# Altium PCB FMC_ADC_250M_16B_4ch.PcbDoc (part 5 of 8) (continued)
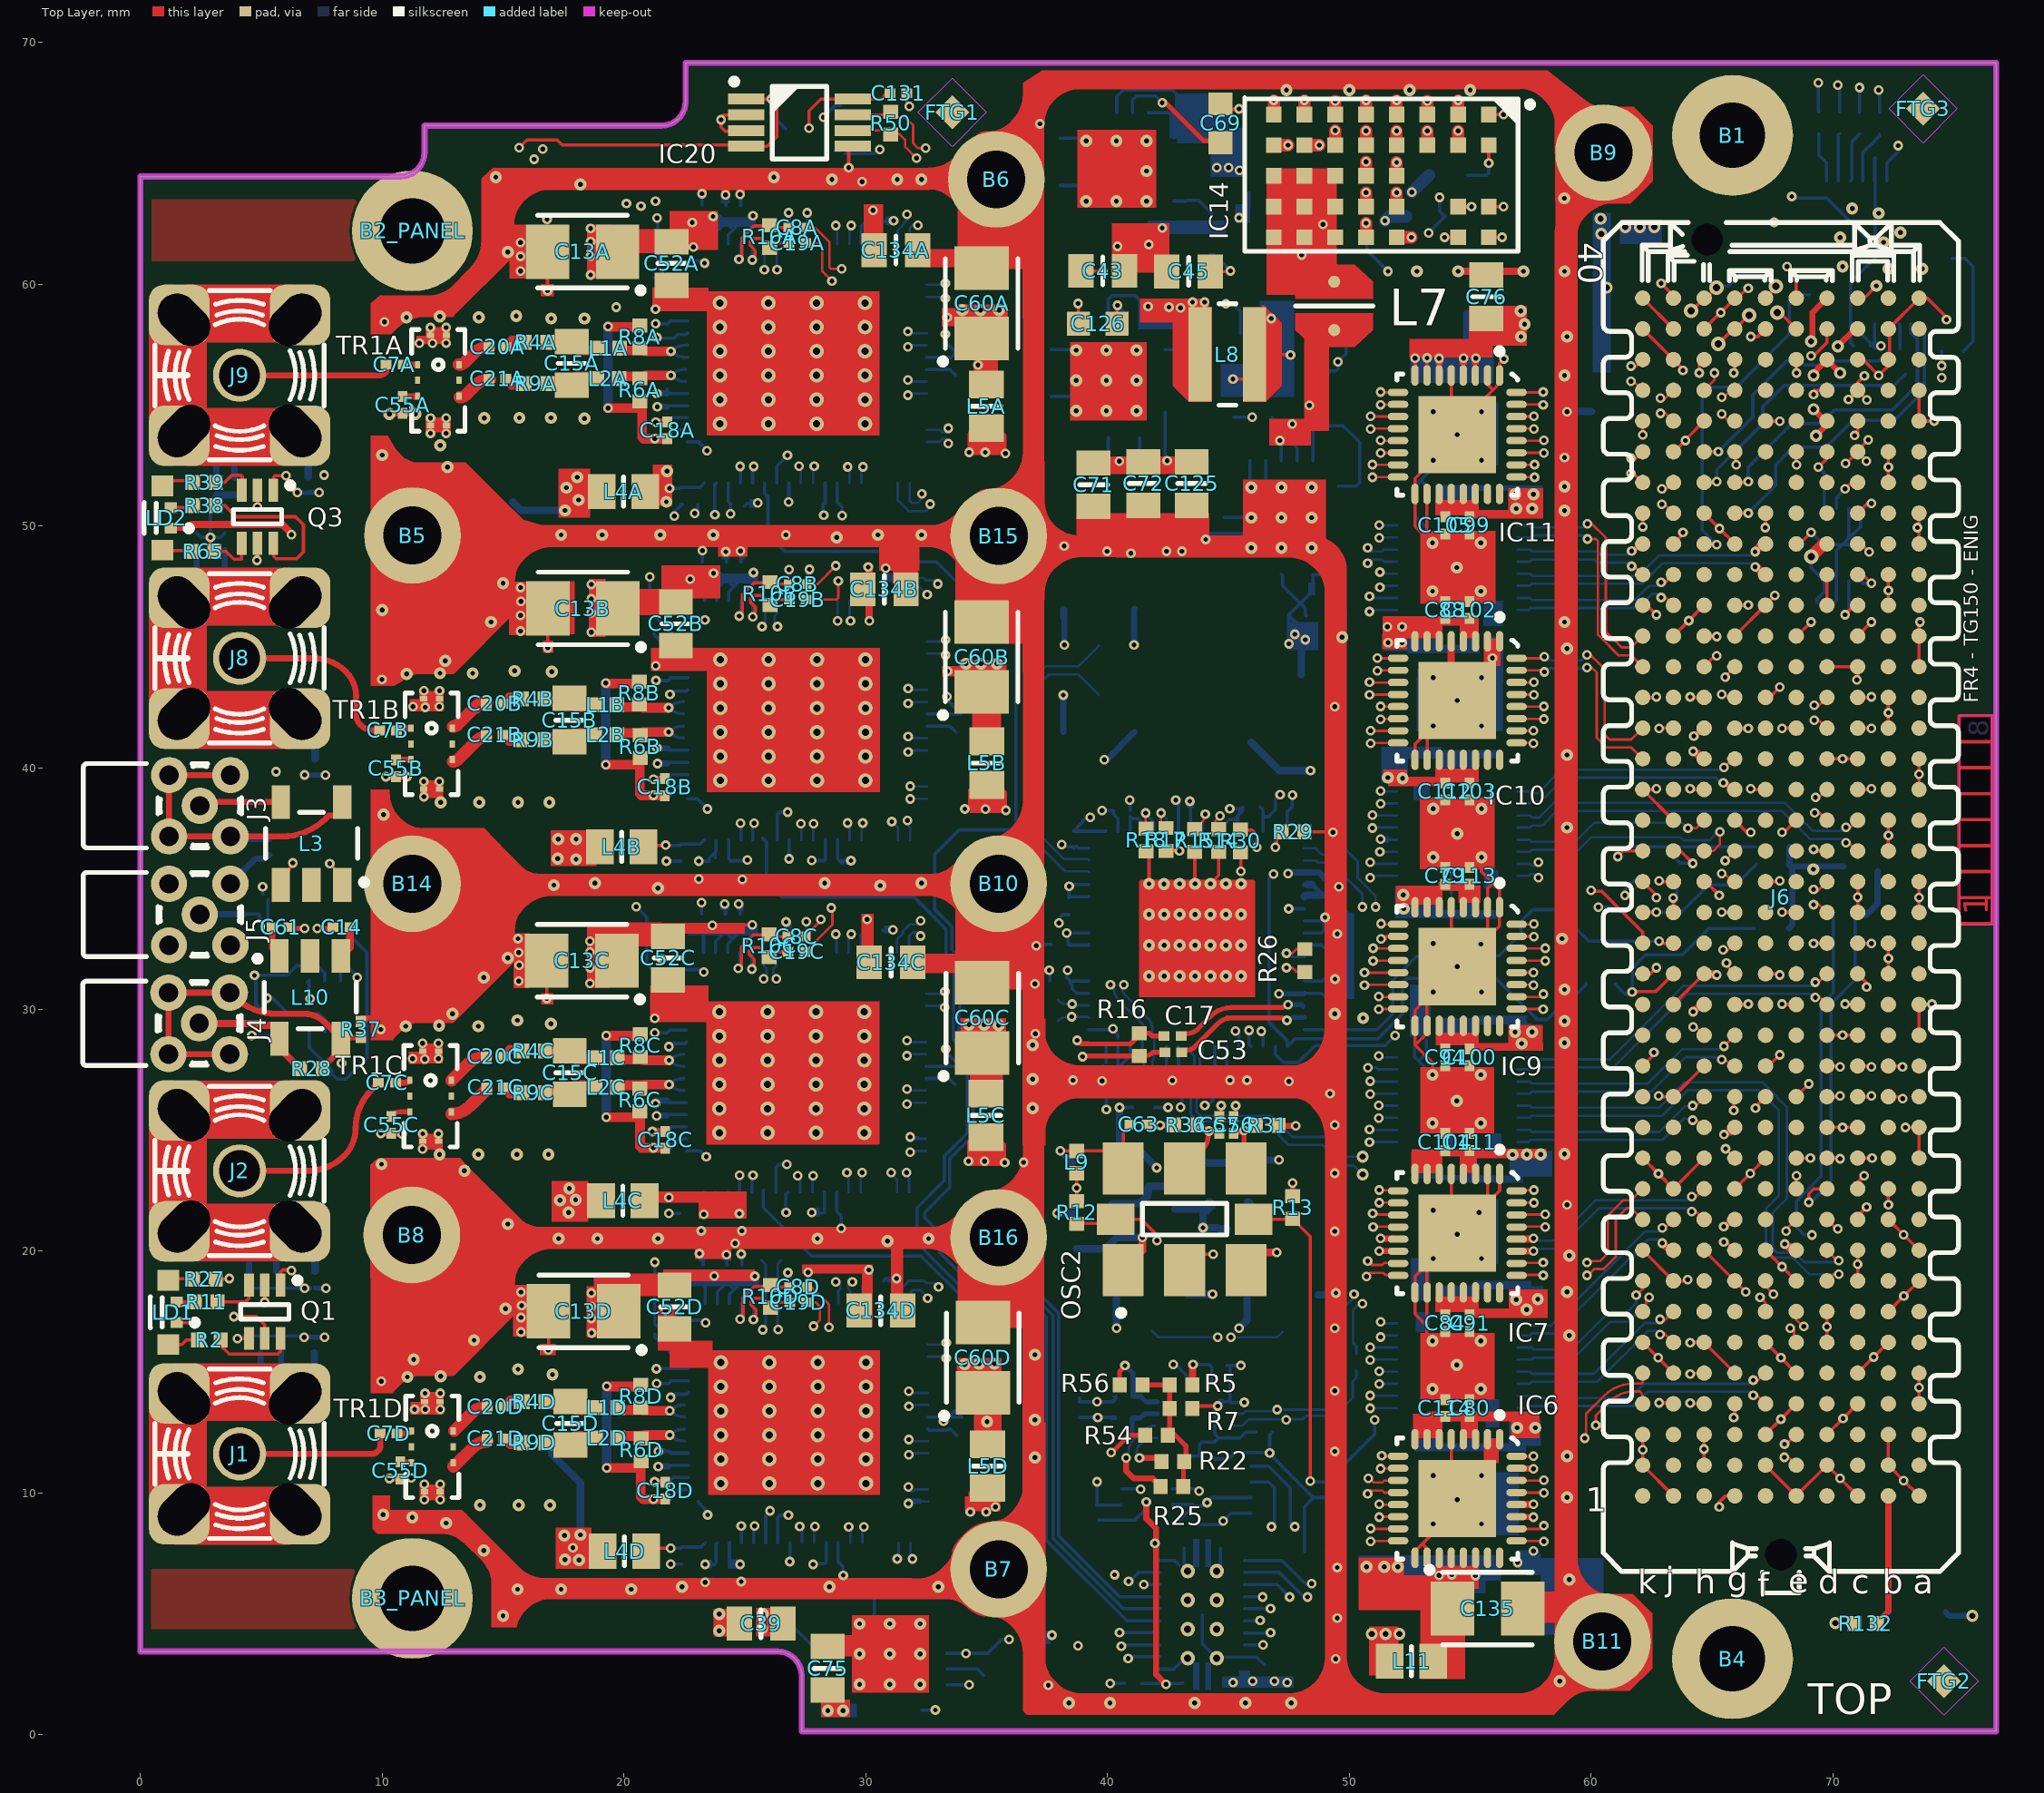
[diagram p0: Top Layer view]
## Nets (pads, with @x,y where several pads share a name; then routed paths per layer and width w, separated by ;. In a path a pad name is that pad's centre, name@x,y a point inside that pad or via, vN(x,y) a via of type N, cw(c..) or ccw(c..) an arc to the next point about the centre after c; other vN are vias at no path point) (continued)
  Bottom Layer w0.203: v1(6.5,51.375) 6.495,51.37 R41A.1@6.95,51.37 ; v1@6.779,16.455 R41D.1@7.2,16.455 7.206,16.449 v1(7.623,16.449) ; v1(6.798,39.7) 6.803,39.695 R41B.1@7.225,39.695 v1(7.661,39.695) ; v1(6.8,18.475) 7.003,18.475 ; R41A.1@6.955,51.375 v1(7.4,51.375) ; R41C.1@7.249,18.495 7.269,18.475 v1(7.675,18.475)
  Bottom Layer w0.245: J5.2@3.726,35.195 4.739,36.207 cw(c4.808,36.137) 4.808,36.236 4.982,36.236 ccw(c4.982,36.757) R24.1@5.35,36.389
  Bottom Layer w0.254: v1@21.219,24.992 21.817,24.992 ; v1@21.25,39.55 21.8,39.55 ; v1(21.271,10.471) 21.292,10.492 21.887,10.492 ; v1@21.294,26.231 C5C.1@21.786,26.231 ; v1@21.339,54.313 21.845,54.313 ; v1(21.365,55.475) C5A.1@21.789,55.475 ; v1@21.529,40.798 C5B.1@21.828,40.798 ; v1@21.556,11.731 21.625,11.731 ; J7.2@38.175,41.475 v3(38.175,43) ; v3(38.225,45.075) J10.2@38.225,46.15 ; v3(39.875,40.325) 39.975,40.325 J7.2@41.125,41.475 ; v3(41.1,45.075) 41.1,46.55 J10.2@41.125,46.575 ; v1(44.566,13.601) cw(c44.746,13.601) IC4.9@44.746,13.782 ; v3(47.475,35.62) 47.475,35.641 47.45,35.666 IC2.3@48.142,35.666 48.759,35.666 C31.1@49,35.425 ; J10.2@38.225,46.15 38.225,46.525 J10.2@38.175,46.575 38.175,46.2 J10.2@38.225,46.15
  Bottom Layer w0.308: C9A.1@3.145,51.275 C54A.1@3.9,51.275 ; v3(37.925,21.575) C66.1@38.65,21.575 ; v3(40.375,16.825) J13.2@40.375,18.225 ; v1(40.503,25.948) 40.503,24.372 40.7,24.175 41.325,24.175 42.043,23.457 v3(42.043,23.45) ; J13.2@43.325,18.225 J13.2@43.325,18.225 v3(44.35,18.224) ; C64.1@44.175,23.65 C67.1@45.8,23.65 45.925,23.775 v3(47.1,23.775) v3@47.075,23.8 ; v3@45.45,16.825 45.775,17.15 J12.2@45.775,18.2 ; J12.2@48.725,18.2 49,18.2 49.074,18.274 v3(49.45,18.274) ; C31.1@49,35.425 49.144,35.425 49.494,35.075 v1(49.575,35.075) ; v1(59.006,54.725) C77.2@60.025,54.725
  Bottom Layer w0.508: v1(51.481,62.619) 51.659,62.796 C46.2@52.358,62.796 ; v1(52.599,63.8) R43.2@53.297,64.498
  other v1: 49.443,3.14 49.506,4.825 29.074,6.601 49.506,6.925 21.932,7.063 12.4,9.725 49.406,11.725 11.348,13.458 11.789,13.464 11.775,14.125 12.4,14.125 49.406,14.225 9.971,14.621 6.773,16.449 15.75,16.659 49.406,16.825 15.75,17.259 21.712,17.55 15.775,17.759 15.75,18.309 24.606,20.325 49.406,20.825 23.205,20.844 24.881,20.844 28.996,20.946 21.862,21.563 59.006,21.925 49.406,23.225 11.675,24.225 49.406,25.225 49.206,26.525 47.506,27.025 38.575,27.075 45.075,27.075 45.775,27.075 8.325,27.775 11.764,27.942 11.256,27.967 11.675,28.6 12.325,28.6 15.65,31.175 37.595,31.625 15.675,31.825 21.55,32.096 15.65,32.36 15.625,32.925 49.506,33.125 31.133,33.298 24.907,35.373 23.103,35.398 21.757,36.135 11.725,38.8 21.365,40.819 11.789,42.496 11.281,42.521 49.406,42.525 11.725,43.175 12.375,43.175 9.997,43.653 55.926,44.534 15.725,45.65 15.725,46.3 15.75,46.875 15.725,47.45 40.974,48.871 38.216,49.165 26.706,49.625 22.087,50.41 29.032,50.421 22.925,50.511 71.606,50.925 7.6,52.1 58.906,52.825 12,53.825 12.65,53.825 11.548,57.558 12.081,57.558 12,58.2 12.65,58.2 10.098,58.436 74.706,58.525 19.688,59.044 66.506,59.825 15.725,60.538 15.726,61.144 15.725,61.719 16.825,62.677 37.206,66.625
  other v2: 38.406,1.325 40.106,1.325 43.606,1.325 45.706,1.325 47.606,1.325 29.753,2.093 31.003,2.093 32.253,2.093 58.706,2.225 29.753,3.343 31.003,3.343 32.253,3.343 23.941,4.309 29.753,4.593 31.003,4.593 32.253,4.593 15.006,4.925 23.941,4.994 15.606,6.025 17.406,6.025 20.306,6.025 22.406,6.125 28.506,6.125 33.006,6.125 59.106,6.425 14.206,7.625 55.475,8.725 12.653,8.765 11.25,9 10.048,9.104 14.048,9.504 15.648,9.504 16.948,9.504 54.475,9.725 59.006,9.825 53.475,10.725 55.475,10.725 37,11.475 59.006,11.525 37.006,13.025 53.45,14.3 55.45,14.3 11.048,14.804 14.048,14.804 12.427,14.833 17.048,14.904 15.625,15.125 54.45,15.3 11.306,15.525 37.006,15.725 55.45,16.3 13.806,16.325 59.106,16.525 15.106,17.625 59.006,18.325 55.475,19.7 59.106,19.825 30.906,20.425 17.306,20.525 18.906,20.525 21.406,20.525 28.006,20.525 32.606,20.525 54.475,20.7 15.206,21.125 55.375,21.6 13.406,23.325 9.978,23.604 12.378,24.004 13.978,24.004 15.578,24.004 16.878,24.004 58.906,24.025 53.45,25.3 55.45,25.3 36.906,25.925 54.45,26.225 36.906,27.125 55.45,27.3 36.906,28.525 58.906,28.625 10.978,29.304 13.978,29.304 12.357,29.333 16.978,29.404 58.906,29.525 15.6,29.55 12.906,29.825 49.406,29.825 55.475,30.725 58.906,30.825 14.206,31.325 41.721,31.385 42.356,31.385 42.991,31.385 43.626,31.385 44.261,31.385 44.896,31.385 45.531,31.385 54.475,31.775 15.206,32.125 41.721,32.655 42.356,32.655 42.991,32.655 43.626,32.655 44.261,32.655 44.896,32.655 45.531,32.655 55.45,32.7 58.806,32.925 41.721,33.925 42.356,33.925 42.991,33.925 43.626,33.925 44.261,33.925 44.896,33.925 45.531,33.925 21.406,35.025 30.606,35.125 17.109,35.144 42.342,35.184 42.991,35.195 44.896,35.195 45.531,35.195 18.806,35.225 28.306,35.225 32.306,35.225 53.475,36.3 59.006,37.525 10.062,38.064 53.475,38.3 55.475,38.3 12.421,38.571 14.021,38.571 15.621,38.571 16.921,38.571 59.006,40.525 55.475,41.725 54.475,42.775 53.475,43.725 55.475,43.725 11.021,43.871 12.399,43.9 13.75,43.9 17.021,43.971 15.489,44 12.606,44.425 59.006,44.925 14.506,46.025 58.906,46.025 10.006,46.525 53.45,47.3 55.45,47.3 15.006,47.625 54.45,48.275 45.947,49.09 47.197,49.09 48.447,49.09 55.45,49.3 28.806,49.525 17.406,49.625 19.106,49.625 21.506,49.625 23.706,49.625 30.506,49.625 32.306,49.625 48.447,50.34 58.906,50.625 47.197,51.59 48.447,51.59 58.906,51.625 12.706,52.425 55.475,52.715 10.006,52.925 12.406,53.325 54.471,53.771 18.368,54.434 14.227,54.459 15.683,54.468 16.983,54.468 38.706,54.759 39.956,54.759 41.206,54.759 38.706,56.009 39.956,56.009 41.206,56.009 58.906,56.225 38.706,57.259 39.956,57.259 41.206,57.259 59.006,57.825 16.996,58.574 18.368,58.574 11.006,58.625 14.006,58.625 12.385,58.654 15.55,58.675 52.806,60.525 58.906,60.525 72.306,60.625 73.706,60.625 70.406,60.725 15.206,61.325 72.106,61.725 70.306,61.925 72.806,62.125 71.906,62.925 70.806,63.125 39.12,63.421 40.37,63.421 41.62,63.421 58.9,63.55 18.206,64.125 28.606,64.325 31.306,64.325 32.306,64.325 14.706,64.425 26.206,64.425 41.62,64.671 39.12,65.921 40.37,65.921 41.62,65.921 47.406,68.025 50.006,68.025 52.506,68.025 55.006,68.025
HA08_N: J6.f11
HA08_P: J6.f10
HA10_N: J6.k14
HA10_P: J6.k13
HA11_N: J6.j13
HA11_P: J6.j12
HA12_P: J6.f13
HA13_N: J6.e13
HA14_N: J6.j16
HA15_N: J6.f17
HA15_P: J6.f16
HA16_N: J6.e16
HA16_P: J6.e15
HA17_CC_N: J6.k17
HA17_CC_P: J6.k16
HA19_N: J6.f20
HA19_P: J6.f19
HA20_N: J6.e19
HA20_P: J6.e18
HB01_N: J6.j25
HB01_P: J6.j24
HB02_N: J6.f23
HB02_P: J6.f22
HB03_N: J6.e22
HB03_P: J6.e21
HB04_N: J6.f26
HB04_P: J6.f25
HB05_N: J6.e25
HB05_P: J6.e24
HB07_N: J6.j28
HB07_P: J6.j27
HB08_N: J6.f29
HB08_P: J6.f28
HB09_N: J6.e28
HB09_P: J6.e27
HB13_N: J6.e31
HB13_P: J6.e30
HB16_N: J6.f35
HB16_P: J6.f34
HB19_N: J6.e34
HB19_P: J6.e33
HB20_N: J6.f38
HB20_P: J6.f37
HB21_N: J6.e37
HB21_P: J6.e36
IN1: C7D.2 J1.1 | length 6.5
  Top Layer w0.25: J1.1@4.106,11.625 9.629,11.625 ccw(c9.629,11.692) 9.676,11.645 ccw(c9.548,12.052) 9.85,11.75 ccw(c9.673,11.927) 9.923,11.927 C7D.2@9.923,12.473
IN2: C7C.2 J2.1 | length 9.1
  Top Layer w0.25: J2.1@4.106,23.325 6.925,23.325 ccw(c6.925,25.466) 8.439,23.952 ccw(c7.315,25.076) 8.875,24.773 ccw(c7.315,25.076) 8.904,25.076 cw(c11.194,25.076) 8.994,25.712 ; 9.575,26.695 ccw(c11.194,25.076) 8.994,25.712 ; C7C.2@9.853,26.973 9.619,26.739 ccw(c11.415,24.943) 8.994,25.712
IN3: C7B.2 J8.1 | length 7.8
  Top Layer w0.25: J8.1@4.106,44.525 7.172,44.525 cw(c7.172,42.647) 8.5,43.975 cw(c7.474,42.949) 8.925,42.949 8.925,42.197 ccw(c9.522,42.197) 9.1,41.775 ccw(c9.667,42.342) 9.667,41.54 C7B.2@9.896,41.54
IN4: C7A.2 J9.1 | length 6.6
  Top Layer w0.135: J9.1@4.106,56.225 cw(c4.273,56.058) J9.1@4.273,56.294
  Top Layer w0.25: J9.1@4.106,56.225 9.853,56.225 ccw(c9.853,56.652) 10.155,56.35 ccw(c10.121,56.384) 10.169,56.384 C7A.2@10.169,56.669
IPTAT1: IC1D.16 R32.2 | length 101.8
  L5 w0.123: v1(20.106,63.325) 20.106,63.792 22.065,65.75 27.865,65.75 30.924,68.809 68.922,68.809 v1(69.406,68.325)
  L3 w0.127: v1(20.106,63.325) 20.103,63.322 20.103,34.434 20.1,34.431 20.1,20.723 v1(21.274,19.549)
  Bottom Layer w0.135: v1(21.274,19.549) 21.274,17.008 22.132,16.15 IC1D.16@22.667,16.15 ; v1(69.406,68.325) 69.406,67.15 R32.2@69.431,67.125
IPTAT2: IC1C.16 R33.2 | length 87.5
  L5 w0.123: v1(20.706,63.225) 20.706,64.003 22.179,65.475 27.979,65.475 31.053,68.549 68.597,68.549 69.235,67.911 70.011,67.911 70.206,68.106 v1(70.206,68.225)
  L3 w0.127: v1(20.512,34.255) 20.512,63.031 v1(20.706,63.225)
  Bottom Layer w0.135: v1(20.512,34.255) 20.944,33.823 20.944,31.893 22.187,30.65 IC1C.16@22.597,30.65 ; v1(70.206,68.225) 70.281,68.15 R33.2@70.281,67.145 R33.2@70.281,67.125
IPTAT3: IC1B.16 R34.2 | length 74
  L5 w0.123: v1(21.306,63.425) 21.306,64.214 22.292,65.2 28.092,65.2 31.151,68.259 45.472,68.259 46.523,67.209 54.99,67.209 56.041,68.259 68.498,68.259 69.121,67.636 70.736,67.636 71.106,68.006 v1(71.106,68.125)
  L3 w0.127: v1(21.071,47.895) 20.882,48.084 20.882,62.801 21.306,63.225 v1(21.306,63.425)
  Bottom Layer w0.135: v1(21.071,47.895) 21.071,46.472 22.327,45.217 IC1B.16@22.639,45.217 ; R34.2@71.106,67.1 R34.2@71.106,67.12 v1(71.106,68.125)
IPTAT4: IC1A.16 R35.2 | length 59.9
  L5 w0.123: v1@21.299,62.701 21.483,62.701 21.72,62.939 21.72,64.239 22.406,64.925 28.206,64.925 31.265,67.984 45.43,67.984 46.43,66.984 55.466,66.984 56.465,67.984 68.384,67.984 69.007,67.361 71.336,67.361 71.906,67.931 v1(71.906,68.025)
  Bottom Layer w0.135: v1@21.299,62.701 v1@21.401,62.701 ; IC1A.16@22.625,59.971 22.091,59.971 21.401,60.66 v1@21.401,62.701 ; v1(71.906,68.025) 71.931,68 R35.2@71.931,67.12 R35.2@71.931,67.1 ; v1@21.401,62.701 21.401,62.82 21.411,62.82 21.506,62.725 21.483,62.701 v1@21.401,62.701
  other v1: 21.375,62.725
LA00_CC_N: J6.g7
LA00_CC_P: J6.g6
LA02_N: J6.h8
LA02_P: J6.h7
LA05_P: D3.2 J6.d11 R75.1 | length 16.4
  Top Layer w0.135: v1(69.015,22.023) 69.015,22.379 69.221,22.585 J6.d11@69.761,22.585
  Bottom Layer w0.135: v1(69.015,22.023) 69.098,22.023 69.925,22.85 69.925,30.225 70.925,31.225 R75.1@70.925,33.925
  Bottom Layer w0.254: R75.1@70.925,33.925 R75.1@70.945,33.925 71.4,33.925 71.85,34.375 D3.2@71.85,35.725
LA15_N: J6.h20
LA15_P: J6.h19
LA24_N: J6.h29 Q1.5 | length 156.2
  Top Layer w0.135: v1(3.864,17.299) 4.804,17.299 5.145,16.958 Q1.5@5.145,16.385 ; J6.h29@64.681,45.445 65.186,45.445 v1(65.206,45.425)
  L3 w0.127: v1(3.864,17.299) 4.55,17.985 4.55,19.814 4.277,20.086 4.277,21.043 2.613,22.707 2.613,23.943 3.578,24.908 3.578,25.803 5.84,28.065 5.84,30.717 5.616,30.941 5.616,34.453 5.896,34.732 5.896,35.426 5.616,35.705 5.616,38.906 6.151,39.441 6.151,40.133 5.972,40.311 5.162,40.311 3.992,41.482 3.992,42.528 2.613,43.907 2.613,45.185 3.588,46.159 3.588,54.582 2.572,55.597 2.572,56.852 4.02,58.3 4.02,59.692 5.137,60.808 8.642,60.808 9.161,60.29 12.54,60.29 17.58,65.33 25.055,65.33 27.774,68.049 41.983,68.049 41.987,68.053 45.589,68.053 46.697,66.945 55.193,66.945 56.113,67.866 60.984,67.866 64.625,64.225 71.701,64.225 75.577,60.349 75.577,45.396 75.306,45.125 65.806,45.125 65.506,45.425 v1(65.206,45.425)
LA24_P: J6.h28 Q2.2 | length 143
  Top Layer w0.135: J6.h28@64.681,44.175 65.131,44.625 v1(65.206,44.625)
  L3 w0.127: 41.887,68.281 45.684,68.281 46.758,67.207 55.132,67.207 56.206,68.281 68.056,68.281 75.856,60.481 75.856,44.675 75.528,44.346 65.485,44.346 v1(65.206,44.625)
  L3 w0.135: v1(5.239,30.468) 5.148,30.559 5.148,34.647 5.427,34.926 5.427,35.232 5.148,35.511 5.148,39.993 3.759,41.381 3.759,42.432 2.381,43.81 2.381,45.281 3.305,46.205 3.305,54.535 2.34,55.501 2.34,56.948 3.788,58.396 3.788,59.788 5.063,61.063 8.716,61.063 9.249,60.53 12.451,60.53 17.484,65.562 24.959,65.562 27.678,68.281 41.887,68.281
  Bottom Layer w0.135: v1(5.239,30.468) 5.296,30.525 5.419,30.525 6.119,29.825 7.406,29.825 7.631,29.6 Q2.2@7.631,29.1
LA28_N: IC15.2 J6.h32 | length 14.1
  Top Layer w0.135: J6.h32@64.681,49.255 65.276,49.255 65.246,49.225 v1(65.206,49.225)
  Bottom Layer w0.135: v1(65.206,49.225) 64.606,49.825 64.606,55.425 64.906,55.725 66.006,55.725 68.206,57.925 68.206,59.325 68.444,59.563 IC15.2@69.038,59.563
LA28_P: J6.h31
LA29_N: J6.g31
LA29_P: J6.g30 Q1.2 | length 151.8
  Top Layer w0.135: Q1.2@5.145,18.485 Q1.2@5.148,18.488 ; Q1.2@5.148,18.6 Q1.2@5.148,18.488 ; v1(5.15,17.9) 5.148,17.902 Q1.2@5.148,18.488 ; Q1.2@5.16,18.5 Q1.2@5.148,18.488 ; J6.g30@65.951,46.715 66.596,46.715 66.586,46.725 v1(66.506,46.725)
  L3 w0.127: 5.148,18.963 5.148,17.902 v1(5.15,17.9) ; 5.15,18.971 5.15,19.569 4.525,20.195 4.525,21.118 2.842,22.801 2.842,23.849 3.582,24.59 3.586,24.59 3.806,24.81 3.806,25.709 6.068,27.971 6.068,30.811 5.845,31.034 5.845,34.359 6.124,34.638 6.124,35.52 5.845,35.799 5.845,38.813 6.379,39.346 6.379,40.235 6.023,40.591 5.236,40.591 4.22,41.607 4.22,42.623 2.842,44.001 2.842,45.091 3.816,46.065 3.816,54.676 2.801,55.691 2.801,56.758 4.248,58.206 4.248,59.597 5.22,60.569 8.559,60.569 9.081,60.047 12.63,60.047 17.685,65.102 25.149,65.102 27.868,67.821 41.434,67.821 42.118,67.138 44.912,67.138 45.333,66.717 55.299,66.717 56.01,67.428 61.099,67.428 64.531,63.997 71.535,63.997 75.298,60.233 75.298,46.117 74.791,45.609 67.122,45.609 66.506,46.225 v1(66.506,46.725)
LA30_N: IC15.35 J6.h35 | length 11.2
  Top Layer w0.135: J6.h35@64.681,53.065 v1(65.266,53.065)
  Bottom Layer w0.135: v1(65.266,53.065) 66.694,54.492 66.694,55.418 68.1,56.825 68.65,56.825 68.825,56.65 69.731,56.65 69.906,56.825 71.906,56.825 72.358,57.277 72.358,57.725 72.238,57.846 IC15.35@72.238,58.363
LA30_P: J6.h34 R46.1 | length 10.9
  Top Layer w0.135: J6.h34@64.681,51.795 65.176,51.795 v1(65.206,51.825)
  Bottom Layer w0.135: v1(65.206,51.825) 65.206,52.319 67.106,54.219 67.106,54.925 67.987,55.806 72.537,55.806 R46.1@73.006,56.275
LA31_N: IC15.33 J6.g34 | length 12
  Top Layer w0.135: J6.g34@65.951,51.795 66.476,51.795 v1(66.506,51.825)
  Bottom Layer w0.135: 66.506,52.025 66.506,52.431 68.3,54.225 69.506,54.225 70.072,54.79 72.472,54.79 73.506,55.825 73.506,57.725 73.238,57.994 IC15.33@73.238,58.363
LA31_P: IC15.32 J6.g33 | length 13.2
  Top Layer w0.135: J6.g33@65.951,50.525 v1(66.506,50.525)
  Bottom Layer w0.135: v1(66.506,50.525) 67.637,51.655 67.637,52.525 68.367,53.255 69.737,53.255 70.837,54.355 72.537,54.355 73.794,55.612 73.794,58.307 IC15.32@73.738,58.363
LA33_N: IC20.7 J6.g37 R50.1 | length 43.7
  Top Layer w0.102: IC20.7@29.494,66.997 30.724,66.997 R50.1@30.85,67.123 ; R50.1@31.031,67.1 31.238,66.894 31.636,66.894 31.963,66.566 31.963,65.816 32.155,65.624 v1(32.476,65.624) ; v1(65.406,55.325) 65.406,55.225 65.786,55.605 J6.g37@65.951,55.605
  L3 w0.102: v1(32.476,65.624) 32.781,65.624 33.085,65.929 33.913,66.757 36.414,66.757 38.045,65.125 39.33,65.125 40.28,64.175 47.393,64.175 48.335,63.233 48.335,61.765 50.975,59.125 55.23,59.125 56.318,58.037 56.318,58.035 57.106,57.246 62.415,57.246 64.636,55.025 65.006,55.025 65.206,55.225
LA33_P: IC20.6 J6.g36 R50.2 | length 43.5
  Top Layer w0.102: IC20.6@29.494,66.347 30.864,66.347 R50.2@31.003,66.208 ; R50.2@31.031,66.2 31.404,66.2 31.633,65.97 31.633,65.679 v1(32.106,65.206) ; v1(65.406,54.625) 65.696,54.335 J6.g36@65.951,54.335
  L3 w0.102: v1(32.106,65.206) 32.686,65.206 34.008,66.528 36.319,66.528 37.951,64.896 39.235,64.896 40.185,63.946 47.298,63.946 48.106,63.138 48.106,61.67 50.88,58.896 55.135,58.896 56.089,57.942 56.089,57.94 57.012,57.018 62.32,57.018 64.542,54.796 65.006,54.796 65.178,54.625 v1(65.406,54.625)
NetC7A_1: C7A.1 TR1A.1 | length 0.6
  Top Layer w0.25: C7A.1@10.869,56.669 TR1A.1@11.463,56.669
NetC7B_1: C7B.1 TR1B.1 | length 0.6
  Top Layer w0.25: C7B.1@10.596,41.54 cw(c10.816,41.32) 10.816,41.631 TR1B.1@11.189,41.631
NetC7C_1: C7C.1 TR1C.1 | length 0.6
  Top Layer w0.25: C7C.1@10.553,26.973 10.926,26.973 ccw(c10.926,27.285) TR1C.1@11.147,27.064
NetC7D_1: C7D.1 TR1D.1 | length 0.6
  Top Layer w0.25: C7D.1@10.623,12.473 10.996,12.473 ccw(c10.996,12.785) TR1D.1@11.217,12.564
NetC14_2: C14.2 L10.3 | length 1.3
  Top Layer w0.308: L10.3@8.32,32.211 8.675,32.566 C14.2@8.675,33.406
NetC15A_1: C15A.1 L2A.1 R9A.2 | length 1.7
  Top Layer w0.4: R9A.2@16.967,55.983 C15A.1@17.758,55.983 ; C15A.1@18.063,56.186 L2A.1@18.962,56.186
NetC15A_2: C15A.2 L1A.1 R4A.2 | length 1.7
  Top Layer w0.4: R4A.2@16.882,57.482 C15A.2@17.682,57.482 ; C15A.2@18.113,57.253 L1A.1@19.012,57.253
NetC15B_1: C15B.1 L2B.1 R9B.2 | length 1.8
  Top Layer w0.4: R9B.2@16.749,41.262 C15B.1@17.663,41.262 ; C15B.1@17.943,41.44 L2B.1@18.842,41.44
NetC15B_2: C15B.2 L1B.1 R4B.2 | length 1.7
  Top Layer w0.4: R4B.2@16.786,42.736 C15B.2@17.587,42.736 ; C15B.2@17.993,42.507 L1B.1@18.892,42.507
NetC15C_1: C15C.1 L2C.1 R9C.2 | length 1.7
  Top Layer w0.4: R9C.2@16.868,26.688 C15C.1@17.681,26.688 ; C15C.1@17.961,26.866 L2C.1@18.86,26.866
NetC15C_2: C15C.2 L1C.1 R4C.2 | length 1.7
  Top Layer w0.4: R4C.2@16.836,28.161 C15C.2@17.605,28.161 ; C15C.2@18.011,27.933 L1C.1@18.91,27.933
NetC15D_1: C15D.1 L2D.1 R9D.2 | length 1.8
  Top Layer w0.4: R9D.2@16.826,12.188 C15D.1@17.706,12.188 ; C15D.1@17.986,12.366 L2D.1@18.885,12.366
NetC15D_2: C15D.2 L1D.1 R4D.2 | length 1.6
  Top Layer w0.4: R4D.2@16.9,13.661 C15D.2@17.63,13.661 ; C15D.2@18.036,13.433 L1D.1@18.935,13.433
NetC20A_1: C20A.1 TR1A.8 | length 1.5
  Top Layer w0.508: TR1A.8@13.183,56.669 ccw(c13.183,57.045) 13.449,56.779 13.829,57.159 cw(c14.423,56.564) C20A.1@14.423,57.406
NetC20A_2: C20A.2 R4A.1 | length 0.9
  Top Layer w0.4: C20A.2@15.123,57.406 15.377,57.66 R4A.1@15.904,57.66
NetC20B_1: C20B.1 TR1B.8 | length 1.8
  Top Layer w0.508: TR1B.8@12.932,41.704 ccw(c12.932,42.002) 13.142,41.791 13.89,42.54 cw(c14.329,42.101) C20B.1@14.329,42.721
NetC20B_2: C20B.2 R4B.1 | length 0.9
  Top Layer w0.4: C20B.2@15.029,42.659 15.283,42.913 R4B.1@15.809,42.913
NetC20C_1: C20C.1 TR1C.8 | length 1.8
  Top Layer w0.508: TR1C.8@12.867,27.064 13.543,27.74 cw(c14.316,26.967) C20C.1@14.316,28.061
NetC20C_2: C20C.2 R4C.1 | length 0.9
  Top Layer w0.4: C20C.2@15.047,28.085 15.301,28.339 R4C.1@15.827,28.339
NetC20D_1: C20D.1 TR1D.8 | length 1.7
  Top Layer w0.508: TR1D.8@12.984,12.584 13.728,13.328 cw(c14.342,12.715) C20D.1@14.342,13.583
NetC20D_2: C20D.2 R4D.1 | length 0.9
  Top Layer w0.4: C20D.2@15.072,13.585 15.326,13.839 R4D.1@15.852,13.839
NetC21A_1: C21A.1 TR1A.6 | length 1.5
  Top Layer w0.508: TR1A.6@13.221,55.323 ccw(c13.221,55.699) 13.487,55.433 13.867,55.813 cw(c14.461,55.218) C21A.1@14.461,56.059
NetC21A_2: C21A.2 R9A.1 | length 0.9
  Top Layer w0.4: C21A.2@15.123,56.085 15.377,55.831 R9A.1@15.904,55.831
NetC21B_1: C21B.1 TR1B.6 | length 1.8
  Top Layer w0.508: TR1B.6@12.93,40.255 ccw(c12.93,40.553) 13.14,40.342 13.889,41.091 cw(c14.327,40.652) C21B.1@14.327,41.272
NetC21B_2: C21B.2 R9B.1 | length 0.9
  Top Layer w0.4: C21B.2@15.006,41.353 15.26,41.099 R9B.1@15.787,41.099
NetC21C_1: C21C.1 TR1C.6 | length 1.8
  Top Layer w0.508: TR1C.6@12.868,25.686 ccw(c12.868,26.767) 13.632,26.002 C21C.1@14.325,26.695
NetC21C_2: C21C.2 R9C.1 | length 0.9
  Top Layer w0.4: C21C.2@15.024,26.779 15.278,26.524 R9C.1@15.805,26.524
NetC21D_1: C21D.1 TR1D.6 | length 1.8
  Top Layer w0.508: 12.944,11.107 ccw(c12.944,11.174) 12.992,11.126 13.736,11.871 cw(c14.35,11.257) C21D.1@14.35,12.125
NetC21D_2: C21D.2 R9D.1 | length 0.9
  Top Layer w0.4: C21D.2@15.049,12.278 15.303,12.024 R9D.1@15.83,12.024
NetC41_1: C41.1 IC24.14 | length 1.6
  Bottom Layer w0.135: IC24.14@33.356,2.725 34.618,2.725 C41.1@34.889,2.454
NetC55A_2: C55A.2 TR1A.3 | length 0.6
  Top Layer w0.135: TR1A.3@11.452,55.35 TR1A.3@11.467,55.365
  Top Layer w0.25: C55A.2@10.85,55.35 11.432,55.35 ccw(c11.432,55.4) TR1A.3@11.467,55.365